# KiCad board PSEC5_Board.kicad_pcb (continued)
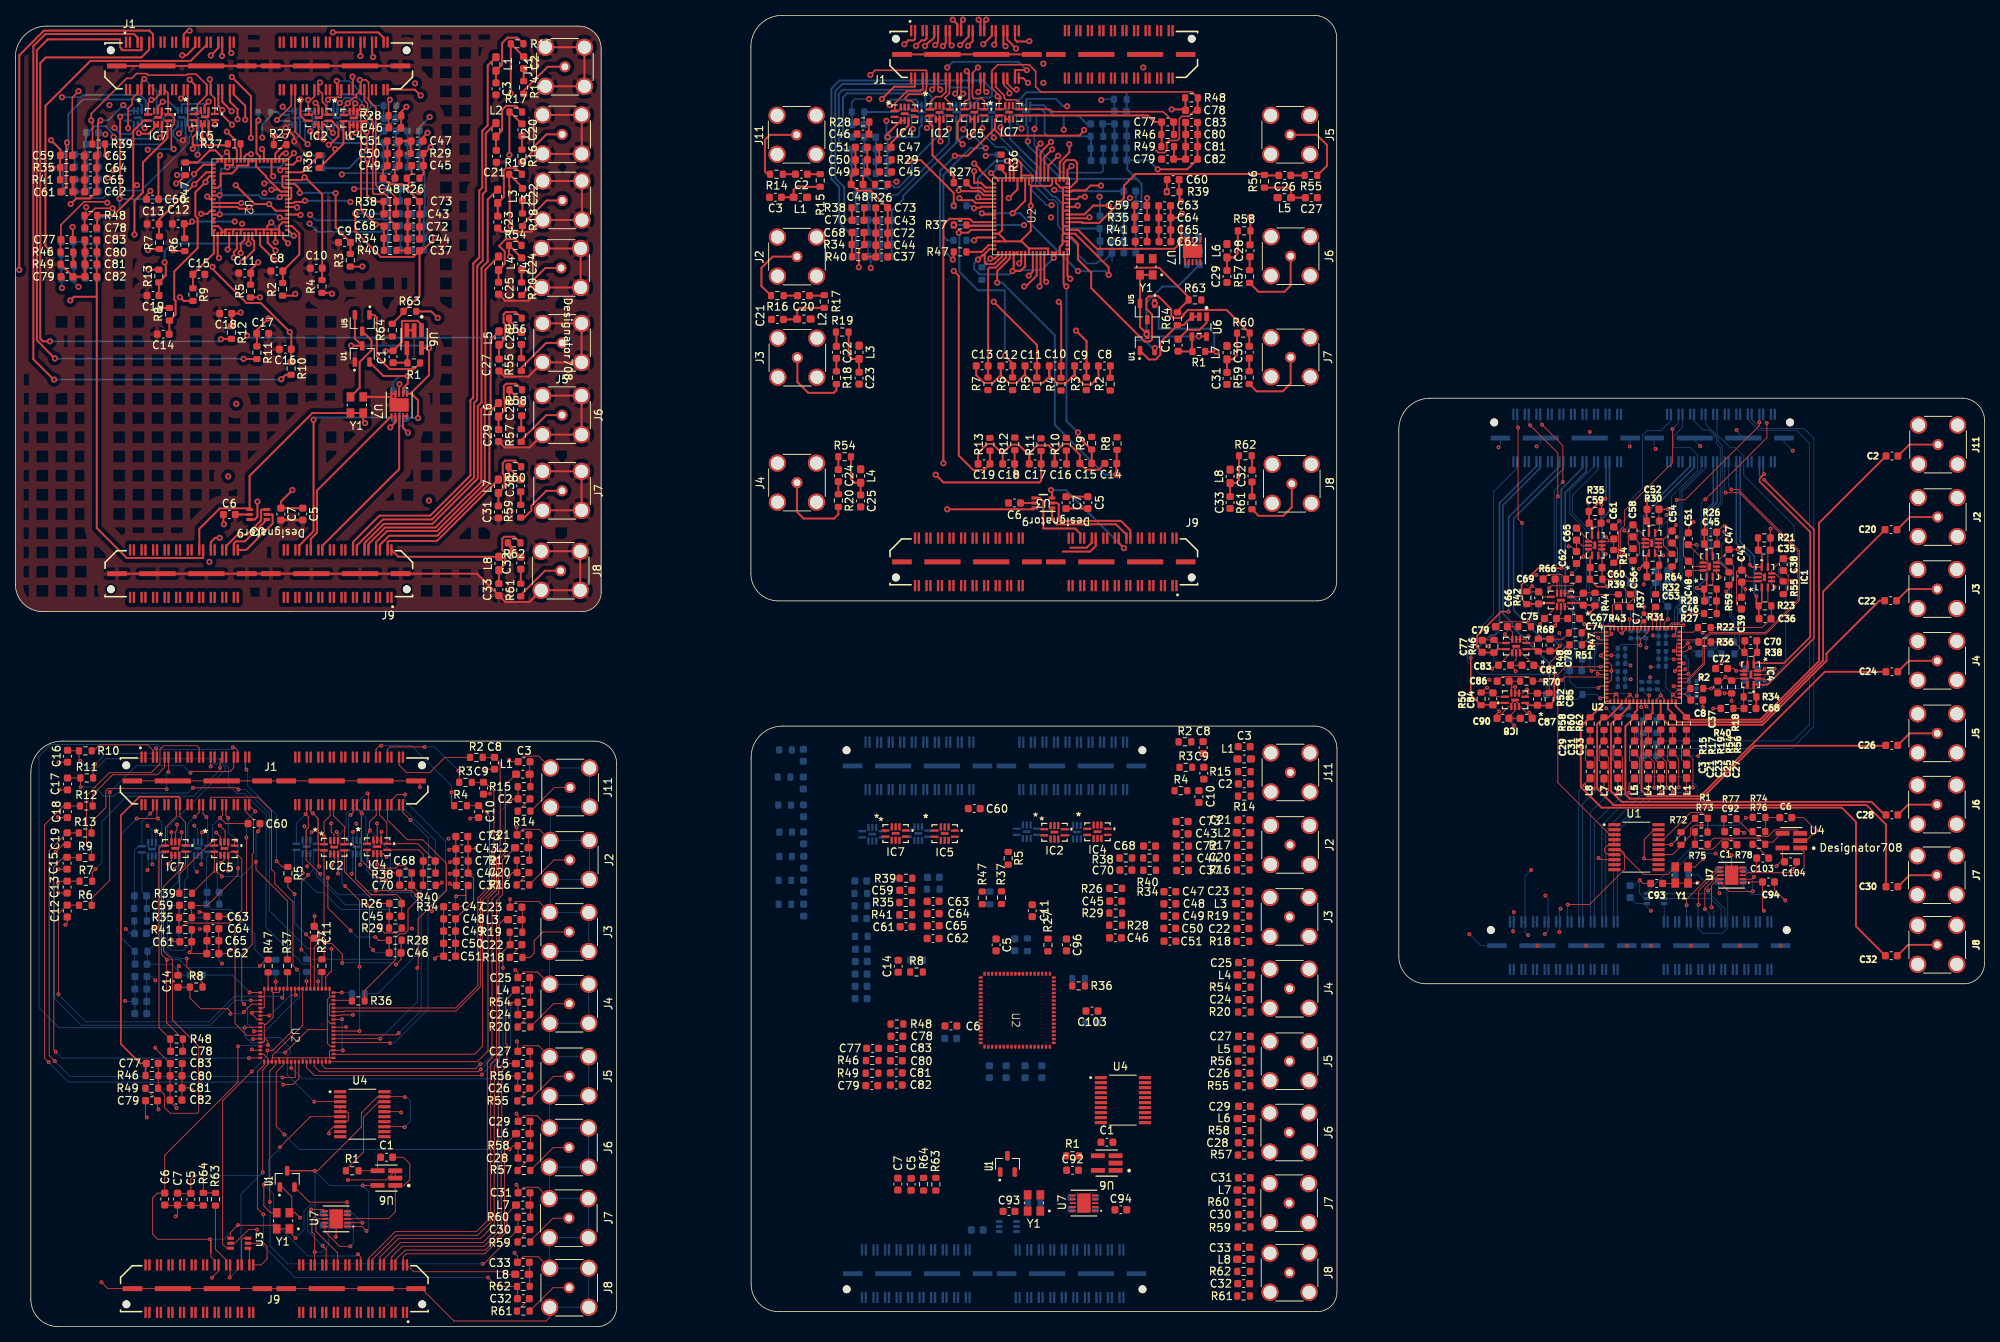
[diagram p0: board, top side]
## Placement (name value [footprint] x y rotation side) (continued)
R46#2  1000  [R_0603_1608Metric]  149.87 155.14 0 top
R46#3  1000  [R_0603_1608Metric]  111.45 34.63 180 top
R46#4  1000  [R_0603_1608Metric]  6.7 139.83 180 top
R46#5  1000  [R_0603_1608Metric]  17.76 32.67 180 top
R47  1000  [R_0603_1608Metric]  202.91 90.3 0 top
R47#2  1000  [R_0603_1608Metric]  22.11 150.67 90 top
R47#3  1000  [R_0603_1608Metric]  122.89 139.87 0 top
R47#4  1000  [R_0603_1608Metric]  32.88 46.92 270 top
R47#5  1000  [R_0603_1608Metric]  125.77 55.8 270 top
R48  1000  [R_0603_1608Metric]  114.67 39.38 0 top
R48#2  1000  [R_0603_1608Metric]  20.97 37.42 0 top
R48#3  1000  [R_0603_1608Metric]  198.1 88.7 90 top
R48#4  1000  [R_0603_1608Metric]  152.99 159.92 180 top
R48#5  1000  [R_0603_1608Metric]  9.81 144.61 0 top
R49  1000  [R_0603_1608Metric]  111.43 32.98 180 top
R49#2  1000  [R_0603_1608Metric]  6.71 138.26 180 top
R49#3  1000  [R_0603_1608Metric]  17.74 31.02 180 top
R49#4  1000  [R_0603_1608Metric]  149.89 153.57 0 top
R49#5  1000  [R_0603_1608Metric]  192.32 88.55 270 bottom
R50  1000  [R_0603_1608Metric]  190.65 81.7 270 top
R50#2  1000  [R_0603_1608Metric]  109.97 56.37 180 bottom
R50#3  1000  [R_0603_1608Metric]  16.27 54.42 180 bottom
R50#4  1000  [R_0603_1608Metric]  6.8 137.99 0 bottom
R50#5  1000  [R_0603_1608Metric]  140.69 153.34 0 bottom
R51  1000  [R_0603_1608Metric]  202.96 88.72 0 top
R51#2  1000  [R_0603_1608Metric]  117.24 47.7 0 bottom
R51#3  1000  [R_0603_1608Metric]  125.71 137.04 90 bottom
R51#4  1000  [R_0603_1608Metric]  23.54 45.75 0 bottom
R51#5  1000  [R_0603_1608Metric]  21.99 147.57 90 bottom
R52  1000  [R_0603_1608Metric]  199.5 81.65 90 top
R52#2  1000  [R_0603_1608Metric]  9.84 144.38 0 bottom
R52#3  1000  [R_0603_1608Metric]  110.04 50.8 0 bottom
R52#4  1000  [R_0603_1608Metric]  16.35 48.85 0 bottom
R52#5  1000  [R_0603_1608Metric]  143.73 159.72 0 bottom
R53  1000  [R_0603_1608Metric]  6.78 139.56 0 bottom
R53#2  1000  [R_0603_1608Metric]  16.28 52.8 180 bottom
R53#3  1000  [R_0603_1608Metric]  140.67 154.91 0 bottom
R53#4  1000  [R_0603_1608Metric]  109.98 54.75 180 bottom
R53#5  1000  [R_0603_1608Metric]  192.18 81.7 270 bottom
R54  50  [R_0603_1608Metric]  65.02 140.71 180 top
R54#2  50  [R_0603_1608Metric]  107.86 113.2 180 top
R54#3  50  [R_0603_1608Metric]  66.15 42.22 180 top
R54#4  50  [R_0603_1608Metric]  159.85 44.17 180 top
R54#5  50  [R_0603_1608Metric]  212.41 78.52 90 top
R55  50  [R_0603_1608Metric]  168.52 149.82 0 top
R55#2  50  [R_0603_1608Metric]  66.11 29.38 0 top
R55#3  50  [R_0603_1608Metric]  159.81 31.34 0 top
R55#4  50  [R_0603_1608Metric]  65.81 125.19 270 top
R55#5  2k  [R_0603_1608Metric]  229.96 96.15 270 top
R56  50  [R_0603_1608Metric]  66.14 32.62 180 top
R56#2  50  [R_0603_1608Metric]  210.64 78.5 90 top
R56#3  50  [R_0603_1608Metric]  159.84 34.55 180 top
R56#4  50  [R_0603_1608Metric]  162.47 149.06 90 top
R56#5  50  [R_0603_1608Metric]  65.05 131.24 180 top
R57  50  [R_0603_1608Metric]  65.8 115.97 270 top
R57#2  50  [R_0603_1608Metric]  159.84 22.33 0 top
R57#3  50  [R_0603_1608Metric]  66.15 20.32 0 top
R57#4  50  [R_0603_1608Metric]  160.54 136.66 270 top
R57#5  2k  [R_0603_1608Metric]  229.96 99.17 90 bottom
R58  50  [R_0603_1608Metric]  159.86 25.51 180 top
R58#2  50  [R_0603_1608Metric]  159.83 142.61 0 top
R58#3  50  [R_0603_1608Metric]  208.44 78.5 90 top
R58#4  50  [R_0603_1608Metric]  65.09 121.91 180 top
R58#5  50  [R_0603_1608Metric]  66.16 23.55 180 top
R59  50  [R_0603_1608Metric]  159.84 12.98 0 top
R59#2  50  [R_0603_1608Metric]  65.73 106.12 270 top
R59#3  2k  [R_0603_1608Metric]  222.89 97.34 270 top
R59#4  50  [R_0603_1608Metric]  66.14 11.02 0 top
R59#5  50  [R_0603_1608Metric]  160.49 123.5 270 top
R60  50  [R_0603_1608Metric]  159.73 129.3 0 top
R60#2  50  [R_0603_1608Metric]  66.15 14.24 180 top
R60#3  50  [R_0603_1608Metric]  64.97 111.91 180 top
R60#4  50  [R_0603_1608Metric]  159.85 16.2 180 top
R60#5  50  [R_0603_1608Metric]  206.64 78.47 90 top
R61  50  [R_0603_1608Metric]  65.74 95.86 270 top
R61#2  50  [R_0603_1608Metric]  160.85 107.2 270 top
R61#3  50  [R_0603_1608Metric]  159.77 3.99 0 top
R61#4  50  [R_0603_1608Metric]  66.07 2.03 0 top
R61#5  2k  [R_0603_1608Metric]  222.89 100.36 90 bottom
R62  50  [R_0603_1608Metric]  204.84 78.47 90 top
R62#2  50  [R_0603_1608Metric]  159.77 7.19 180 top
R62#3  50  [R_0603_1608Metric]  64.88 102 180 top
R62#4  50  [R_0603_1608Metric]  159.98 113.33 0 top
R62#5  50  [R_0603_1608Metric]  66.07 5.23 180 top
R63  2k  [R_0603_1608Metric]  51.31 132.12 180 top
R63#2  2k  [R_0603_1608Metric]  153.43 133.61 180 top
R63#3  2k  [R_0603_1608Metric]  26.03 16.57 90 top
R63#4  2k  [R_0603_1608Metric]  119.73 18.53 90 top
R63#5  2k  [R_0603_1608Metric]  215.49 102.76 90 bottom
R64  2k  [R_0603_1608Metric]  49.02 129.68 270 top
R64#2  2k  [R_0603_1608Metric]  24.44 16.58 270 top
R64#3  2k  [R_0603_1608Metric]  118.14 18.54 270 top
R64#4  2k  [R_0603_1608Metric]  215.49 99.74 270 top
R64#5  2k  [R_0603_1608Metric]  151.14 131.18 270 top
R65  10k  [R_0603_1608Metric]  132.52 16.13 0 bottom
R65#2  10k  [R_0603_1608Metric]  216.77 58.8 0 bottom
R66  2k  [R_0603_1608Metric]  202.52 97.27 180 top
R67  2k  [R_0603_1608Metric]  199.49 97.27 0 bottom
R68  2k  [R_0603_1608Metric]  196.32 91.1 0 top
R69  2k  [R_0603_1608Metric]  193.27 91.1 0 bottom
R70  2k  [R_0603_1608Metric]  196.55 84 0 top
R71  2k  [R_0603_1608Metric]  193.53 84 0 bottom
R72  140  [R_0603_1608Metric]  216.66 63.52 270 top
R73  R1/2  [R_0603_1608Metric]  219.29 64.37 0 top
R74  R1/2  [R_0603_1608Metric]  226.81 66.27 180 top
R75  R1/2  [R_0603_1608Metric]  219.29 62.77 180 top
R76  R1/2  [R_0603_1608Metric]  226.79 64.42 0 top
R77  R2  [R_0603_1608Metric]  223.06 66.1 0 top
R78  R2  [R_0603_1608Metric]  226.79 62.77 0 top
U1  MCP1700T-1802E_TT  [SOT95P237X112-3N]  129.05 21.18 90 top
U1#2  MC100LVEL40DWG  [SOP65P640X120-20N]  210.86 62.4 0 top
U1#3  MCP1700T-1802E_TT  [SOT95P237X112-3N]  147.23 128.08 90 top
U1#4  MCP1700T-1802E_TT  [SOT95P237X112-3N]  45.11 126.59 90 top
U1#5  MCP1700T-1802E_TT  [SOT95P237X112-3N]  35.35 19.22 90 top
U2  ~  [PSEC5_DIE]  137.1 149.49 180 top
U2#2  ~  [PSEC5_DIE]  135.32 36.18 90 top
U2#3  ~  [PSEC5_DIE]  41.62 34.22 90 top
U2#4  ~  [PSEC5_DIE]  35.56 141.97 90 top
U2#5  ~  [PSEC5_DIE]  216.71 81.12 90 top
U3  DAC8411IDCKT  [DCK0006A_N]  133.71 107.19 180 top
U3#2  DAC8411IDCKT  [DCK0006A_N]  29.12 10.85 180 top
U3#3  DAC8411IDCKT  [DCK0006A_N]  31.59 105.69 180 top
U3#4  DAC8411IDCKT  [DCK0006A_N]  129.09 13.03 180 bottom
U3#5  DAC8411IDCKT  [DCK0006A_N]  213.34 55.7 180 bottom
U4  OPA607QDBVRQ1  [DBV0005A-IPC_A]  231.01 63.25 180 top
U4#2  MC100LVEL40DWG  [SOP65P640X120-20N]  144.06 29.48 0 top
U4#3  MC100LVEL40DWG  [SOP65P640X120-20N]  45.13 27.65 0 top
U5  MC100LVEL  [SOT95P237X112-3N]  45.11 130.61 270 top
U5#2  MC100LVEL  [SOT95P237X112-3N]  147.23 132.11 270 top
U6  OPA607QDBVRQ1  [DBV0005A-IPC_A]  51.87 128.52 270 top
U6#2  OPA607QDBVRQ1  [DBV0005A-IPC_A]  141.96 21.29 180 top
U6#3  OPA607QDBVRQ1  [DBV0005A-IPC_A]  48.26 19.33 180 top
U6#4  OPA607QDBVRQ1  [DBV0005A-MFG]  153.99 130.14 270 top
U7  AD4008BCPZ-RL7  [CP_10_9_ADI]  138.99 16.08 180 top
U7#2  AD4008BCPZ-RL7  [CP_10_9_ADI]  153.13 139.98 270 top
U7#3  AD4008BCPZ-RL7  [CP_10_9_ADI]  41.72 14.02 180 top
U7#4  AD4008BCPZ-RL7  [CP_10_9_ADI]  49.92 119.94 270 top
U7#5  AD4008BCPZ-RL7  [CP_10_9_ADI]  223.24 58.75 180 top
Y1  ASE2-40.000MHZ-ET  [XTAL_ASE2-40.000MHZ-ET]  147.11 137.93 180 top
Y1#2  ASE2-40.000MHZ-ET  [XTAL_ASE2-40.000MHZ-ET]  44.41 119.95 180 top
Y1#3  ASE2-40.000MHZ-ET  [XTAL_ASE2-40.000MHZ-ET]  34.82 13.77 180 top
Y1#4  ASE2-40.000MHZ-ET  [XTAL_ASE2-40.000MHZ-ET]  216.74 58.77 180 top
Y1#5  ASE2-40.000MHZ-ET  [XTAL_ASE2-40.000MHZ-ET]  132.5 16.1 180 top

## Library data of the parts
C1 C1#2 C1#4 C1#5 C2#2-C2#5 C3 C3#2 C3#3 C3#5 C4 C4#3-C4#5 C5#2-C5#6 C6 C6#2 C6#3 C6#5 C7 C7#2 C7#4 C7#5 C8 C8#3-C8#5 C9 C9#2 C9#4 C9#5 C10#2-C10#5 C11#2-C11#5 C12#2-C12#5 C13#2-C13#5 C14 C14#2 C14#4 C14#5 C15 C15#3-C15#5 C16 C16#2 C16#4 C16#5 C17#2-C17#5 C18#2-C18#5 C19#2-C19#5 C20 C20#2-C20#4 C21 C21#3-C21#5 C22 C22#2-C22#4 C23 C23#2-C23#4 C24 C24#2 C24#3 C24#5 C25 C25#3-C25#5 C26 C26#3-C26#5 C27 C27#2-C27#4 C28 C28#3-C28#5 C29#2-C29#5 C30#2-C30#5 C31 C31#2 C31#4 C31#5 C32 C32#2 C32#4 C32#5 C33#2-C33#5 C34#2-C34#5 C35 C35#3-C35#5 C36 C36#2 C36#4 C36#5 C37 C37#2-C37#4 C38 C38#3-C38#5 C39 C39#2 C39#4 C39#5 C40 C40#2-C40#4 C41 C41#2-C41#4 C42 C42#2-C42#4 C43#2-C43#5 C44 C44#2 C44#4 C44#5 C45 C45#2 C45#4 C45#5 C46 C46#2 C46#4 C46#5 C47 C47#2 C47#3 C47#5 C48 C48#3-C48#5 C49 C49#2 C49#4 C49#5 C50 C50#2 C50#4 C50#5 C51#2-C51#5 C52 C52#2-C52#4 C53 C53#2 C53#4 C53#5 C54 C54#2 C54#4 C54#5 C55#2-C55#5 C56 C56#3-C56#5 C57 C57#3-C57#5 C58 C58#2 C58#4 C58#5 C59 C59#3-C59#5 C60 C60#2 C60#4 C60#5 C61 C61#2 C61#3 C61#5 C62 C62#3-C62#5 C63 C63#2 C63#4 C63#5 C64#2-C64#5 C65#2-C65#5 C66 C66#3-C66#5 C67 C67#2-C67#4 C68#2-C68#5 C69 C69#2-C69#4 C70 C70#2 C70#4 C70#5 C71#2-C71#5 C72#2-C72#5 C73 C73#3-C73#5 C74 C74#2-C74#4 C75 C75#2-C75#4 C76 C76#2-C76#4 C77 C77#2 C77#3 C77#5 C78 C78#2-C78#4 C79#2-C79#5 C80 C80#3-C80#5 C81#2-C81#5 C82#2-C82#5 C83 C83#3-C83#5 C84 C84#2-C84#4 C85 C85#3-C85#5 C86 C86#2 C86#4 C86#5 C87 C87#2 C87#3 C87#5 C88 C88#2 C88#4 C88#5 C89 C89#3-C89#5 C90 C90#2-C90#4 C91 C91#2 C92 C92#2 C93 C93#2 C94 C94#2 C95 C95#2 C96 C96#2 C97 C97#2 C98 C98#2 C99 C99#2 C100 C100#2 C101 C101#2 C102 C102#2 C103 C103#2 C104-C119 = -: Description: Unpolarized capacitor
C1#3 C2 C3#4 C4#2 C5 C6#4 C7#3 C8#2 C9#3 C10-C13 C14#3 C15#2 C16#3 C17-C19 C20#5 C21#2 C22#5 C23#5 C24#4 C25#2 C26#2 C27#5 C28#2 C29 C30 C31#3 C32#3 C33 C34 C35#2 C36#3 C37#5 C38#2 C39#3 C40#5 C41#5 C42#5 C43 C44#3 C45#3 C46#3 C47#4 C48#2 C49#3 C50#3 C51 C52#5 C53#3 C54#3 C55 C56#2 C57#2 C58#3 C59#2 C60#3 C61#4 C62#2 C63#3 C64 C65 C66#2 C67#5 C68 C69#5 C70#3 C71 C72 C73#2 C74#5 C75#5 C76#5 C77#4 C78#5 C79 C80#2 C81 C82 C83#2 C84#5 C85#2 C86#3 C87#4 C88#3 C89#2 C90#5 = -: Description: Unpolarized capacitor; ki_fp_filters: C_*
IC1 IC1#2-IC1#5 IC2 IC2#2-IC2#5 IC3 IC3#2-IC3#5 IC4 IC4#2-IC4#5 IC5 IC5#2-IC5#5 IC6 IC6#2-IC6#5 IC7 IC7#2-IC7#5 IC8 IC8#2-IC8#5 = -: Datasheet: https://www.analog.com/media/en/technical-documentation/data-sheets/6409fb.pdf; Description: High Speed Operational Amplifiers 10GHz GBW 1.1nV/rtHz Differential Amp; Height: 0.85; Mouser Part Number: 584-C6409IUDBTRMPBF; Mouser Price/Stock: https://www.mouser.co.uk/ProductDetail/Analog-Devices/LTC6409IUDBTRMPBF?qs=hVkxg5c3xu%252BCxcBUxz33zw%3D%3D; Manufacturer_Name: Analog Devices
J1 J1#2-J1#5 J9 J9#2-J9#5 = -: PARTREV: L; STANDARD: Manufacturer Recommendations; MAXIMUM_PACKAGE_HEIGHT: 4.347mm; MANUFACTURER: Samtec
J2 J3#2 J4#3 J5#3 J6 J7#5 J8#3 J11#2 = -: Description: coaxial connector (BNC, SMA, SMB, SMC, Cinch/RCA, LEMO, ...); ki_fp_filters: *BNC* *SMA* *SMB* *SMC* *Cinch* *LEMO* *UMRF* *MCX* *U.FL*
J2#2-J2#5 J3 J3#3-J3#5 J4 J4#2 J4#4 J4#5 J5 J5#2 J5#4 J5#5 J6#2-J6#5 J7 J7#2-J7#4 J8 J8#2 J8#4 J8#5 J11 J11#3-J11#5 = -: Description: coaxial connector (BNC, SMA, SMB, SMC, Cinch/RCA, LEMO, ...)
L1 L1#2 L1#4 L1#5 L2 L2#3-L2#5 L3 L3#2-L3#4 L4 L4#2 L4#3 L4#5 L5 L5#2-L5#4 L6 L6#3-L6#5 L7 L7#2 L7#3 L7#5 L8 L8#2 L8#4 L8#5 = -: Description: Inductor
L1#3 L2#2 L3#5 L4#4 L5#5 L6#2 L7#4 L8#3 = -: Description: Inductor; ki_fp_filters: Choke_* *Coil* Inductor_* L_*
R1 R1#2-R1#4 R2#2-R2#5 R3#2-R3#5 R4 R4#2 R4#4 R4#5 R5 R5#3-R5#5 R6 R6#2 R6#4 R6#5 R7 R7#2 R7#4 R7#5 R8 R8#2 R8#4 R8#5 R9#2-R9#5 R10 R10#2 R10#4 R10#5 R11#2-R11#5 R12 R12#3-R12#5 R13#2-R13#5 R14 R14#2-R14#4 R15 R15#2-R15#4 R16 R16#2 R16#3 R16#5 R17 R17#2 R17#3 R17#5 R18#2-R18#5 R19 R19#2 R19#3 R19#5 R20 R20#3-R20#5 R21 R21#2-R21#4 R22 R22#3-R22#5 R23 R23#3-R23#5 R24 R24#3-R24#5 R25 R25#3-R25#5 R26#2-R26#5 R27 R27#2 R27#3 R27#5 R28 R28#2 R28#4 R28#5 R29#2-R29#5 R30 R30#2-R30#4 R31 R31#2-R31#4 R32 R32#2-R32#4 R33 R33#2 R33#4 R33#5 R34 R34#2-R34#4 R35 R35#2 R35#3 R35#5 R36 R36#2 R36#4 R36#5 R37#2-R37#5 R38 R38#2 R38#4 R38#5 R39 R39#2-R39#4 R40 R40#2-R40#4 R41 R41#3-R41#5 R42 R42#2 R42#3 R42#5 R43 R43#3-R43#5 R44 R44#2 R44#4 R44#5 R45#2-R45#5 R46 R46#3-R46#5 R47 R47#2 R47#4 R47#5 R48 R48#2 R48#3 R48#5 R49 R49#2 R49#3 R49#5 R50 R50#2-R50#4 R51 R51#2 R51#4 R51#5 R52 R52#2-R52#4 R53 R53#2 R53#4 R53#5 R54 R54#3-R54#5 R55#2-R55#5 R56 R56#2 R56#3 R56#5 R57 R57#2 R57#3 R57#5 R58 R58#3-R58#5 R59 R59#2-R59#4 R60#2-R60#5 R61 R61#3-R61#5 R62 R62#2 R62#3 R62#5 R63 R63#3-R63#5 R64 R64#2-R64#4 R65 R65#2 R66-R78 = -: Description: Resistor, US symbol
R1#5 R2 R3 R4#3 R5#2 R6#3 R7#3 R8#3 R9 R10#3 R11 R12#2 R13 R14#5 R15#5 R16#4 R17#4 R18 R19#4 R20#2 R21#5 R22#2 R23#2 R24#2 R25#2 R26 R27#4 R28#3 R29 R30#5 R31#5 R32#5 R33#3 R34#5 R35#4 R36#3 R37 R38#3 R39#5 R40#5 R41#2 R42#4 R43#2 R44#3 R45 R46#2 R47#3 R48#4 R49#4 R50#5 R51#3 R52#5 R53#3 R54#2 R55 R56#4 R57#4 R58#2 R59#5 R60 R61#2 R62#4 R63#2 R64#5 = -: Description: Resistor, US symbol; ki_fp_filters: R_*
U3 = -: ki_fp_filters: DCK0006A_N DCK0006A_M DCK0006A_L
U6#4 = -: ki_fp_filters: DBV0005A-IPC_A DBV0005A-IPC_B DBV0005A-IPC_C DBV0005A-MFG
U7#2 = -: ki_fp_filters: CP_10_9_ADI CP_10_9_ADI-M CP_10_9_ADI-L
Y1 Y1#2-Y1#5 = -: PARTREV: 08.06.14; STANDARD: Manufacturer Recommendations; MAXIMUM_PACKAGE_HEIGHT: 1.2 mm; MANUFACTURER: Abracon

## Footprints (pads in the part's own frame, mm; a bottom-side part is the same pattern mirrored in y, then rotated)
C_0402_1005Metric
  rrect 0.56x0.62 smd: 1(-0.48,0) 2(0.48,0)
C_0603_1608Metric
  rrect 0.9x0.95 smd: 1(-0.775,0) 2(0.775,0)
CP_10_9_ADI
  rect 0.813x0.254 smd: 1(-1.448,1) 2(-1.448,0.5) 3(-1.448,0) 4(-1.448,-0.5) 5(-1.448,-1) 6(1.448,-1) 7(1.448,-0.5) 8(1.448,0) 9(1.448,0.5) 10(1.448,1)
  rect 1.753x2.489 smd: 11(0,0)
DBV0005A-IPC_A
  rect 1.805x0.612 smd: 1(-1.15,0.95) 2(-1.15,0) 3(-1.15,-0.95) 4(1.15,-0.95) 5(1.15,0.95)
DBV0005A-MFG
  rect 1.1x0.6 smd: 1(-1.3,0.95) 2(-1.3,0) 3(-1.3,-0.95) 4(1.3,-0.95) 5(1.3,0.95)
DCK0006A_N
  rect 0.85x0.4 smd: 1(-1.125,0.65) 2(-1.125,0) 3(-1.125,-0.65) 4(1.125,-0.65) 5(1.125,0) 6(1.125,0.65)
L_0603_1608Metric_Pad1.05x0.95mm_HandSolder
  rrect 1.05x0.95 smd: 1(-0.875,0) 2(0.875,0)
PSEC5_DIE
  rect 0.3x0.5 smd: 1(0.75,9.75) 2(1.25,9.75) 3(1.75,9.75) 4(2.25,9.75) 5(2.75,9.75) 6(3.25,9.75) 7(3.75,9.75) 8(4.25,9.75) 9(4.75,9.75) 10(5.25,9.75) 11(5.75,9.75) 12(6.25,9.75) 13(6.75,9.75) 14(7.25,9.75) 15(7.75,9.75) 16(8.25,9.75) 17(8.75,9.75) 18(9.25,9.75) 37(9.25,0.25) 38(8.75,0.25) 39(8.25,0.25) 40(7.75,0.25) 41(7.25,0.25) 42(6.75,0.25) 43(6.25,0.25) 44(5.75,0.25) 45(5.25,0.25) 46(4.75,0.25) 47(4.25,0.25) 48(3.75,0.25) 49(3.25,0.25) 50(2.75,0.25) 51(2.25,0.25) 52(1.75,0.25) 53(1.25,0.25) 54(0.75,0.25)
  rect 0.5x0.3 smd: 19(9.75,9.25) 20(9.75,8.75) 21(9.75,8.25) 22(9.75,7.75) 23(9.75,7.25) 24(9.75,6.75) 25(9.75,6.25) 26(9.75,5.75) 27(9.75,5.25) 28(9.75,4.75) 29(9.75,4.25) 30(9.75,3.75) 31(9.75,3.25) 32(9.75,2.75) 33(9.75,2.25) 34(9.75,1.75) 35(9.75,1.25) 36(9.75,0.75) 55(0.25,0.75) 56(0.25,1.25) 57(0.25,1.75) 58(0.25,2.25) 59(0.25,2.75) 60(0.25,3.25) 61(0.25,3.75) 62(0.25,4.25) 63(0.25,4.75) 64(0.25,5.25) 65(0.25,5.75) 66(0.25,6.25) 67(0.25,6.75) 68(0.25,7.25) 69(0.25,7.75) 70(0.25,8.25) 71(0.25,8.75) 72(0.25,9.25)
QFN-10_UDB_LIT
  rect 1.105x0.3 smd: 1(-1.267,0.4)
  rect 1.005x0.3 smd: 2(-1.317,-0.4) 6(1.317,-0.4) 7(1.317,0.4)
  rect 0.305x0.914 smd: 3(-0.5,-0.876) 4(0,-0.876) 5(0.5,-0.876) 8(0.5,0.876) 9(0,0.876) 10(-0.5,0.876)
  rect 1x0.35 smd: 11(0,0.025)
QFN-10_UDB_LIT#2
  rect 1.009x0.3 smd: 1(-1.315,0.4)
  rect 1.005x0.3 smd: 2(-1.317,-0.4) 6(1.317,-0.4) 7(1.317,0.4)
  rect 0.305x0.914 smd: 3(-0.5,-0.876) 4(0,-0.876) 5(0.5,-0.876) 8(0.5,0.876) 9(0,0.876) 10(-0.5,0.876)
  rect 1x0.35 smd: 11(0,0.025)
R_0603_1608Metric
  rrect 0.8x0.95 smd: 1(-0.825,0) 2(0.825,0)
SAMTEC_QTH-040-01-X-D-DP-A
  round 1.02 hole 1.02 unplated: (-19.24,2.03) (19.24,2.03)
  rect 0.3x1.45 smd: 01(-17.25,3.09) 02(-17.25,-3.09) 03(-16.75,3.09) 04(-16.75,-3.09) 05(-15.75,3.09) 06(-15.75,-3.09) 07(-15.25,3.09) 08(-15.25,-3.09) 09(-14.25,3.09) 10(-14.25,-3.09) 11(-13.75,3.09) 12(-13.75,-3.09) 13(-12.75,3.09) 14(-12.75,-3.09) 15(-12.25,3.09) 16(-12.25,-3.09) 17(-11.25,3.09) 18(-11.25,-3.09) 19(-10.75,3.09) 20(-10.75,-3.09) 21(-9.75,3.09) 22(-9.75,-3.09) 23(-9.25,3.09) 24(-9.25,-3.09) 25(-8.25,3.09) 26(-8.25,-3.09) 27(-7.75,3.09) 28(-7.75,-3.09) 29(-6.75,3.09) 30(-6.75,-3.09) 31(-6.25,3.09) 32(-6.25,-3.09) 33(-5.25,3.09) 34(-5.25,-3.09) 35(-4.75,3.09) 36(-4.75,-3.09) 37(-3.75,3.09) 38(-3.75,-3.09) 39(-3.25,3.09) 40(-3.25,-3.09) 41(2.75,3.09) 42(2.75,-3.09) 43(3.25,3.09) 44(3.25,-3.09) 45(4.25,3.09) 46(4.25,-3.09) 47(4.75,3.09) 48(4.75,-3.09) 49(5.75,3.09) 50(5.75,-3.09) 51(6.25,3.09) 52(6.25,-3.09) 53(7.25,3.09) 54(7.25,-3.09) 55(7.75,3.09) 56(7.75,-3.09) 57(8.75,3.09) 58(8.75,-3.09) 59(9.25,3.09) 60(9.25,-3.09) 61(10.25,3.09) 62(10.25,-3.09) 63(10.75,3.09) 64(10.75,-3.09) 65(11.75,3.09) 66(11.75,-3.09) 67(12.25,3.09) 68(12.25,-3.09) 69(13.25,3.09) 70(13.25,-3.09) 71(13.75,3.09) 72(13.75,-3.09) 73(14.75,3.09) 74(14.75,-3.09) 75(15.25,3.09) 76(15.25,-3.09) 77(16.25,3.09) 78(16.25,-3.09) 79(16.75,3.09) 80(16.75,-3.09)
  rect 2.54x0.64 smd: G1(-18.45,0) G4(-1.56,0) G5(1.56,0) G8(18.45,0)
  rect 4.7x0.64 smd: G2(-13.18,0) G3(-6.83,0) G6(6.83,0) G7(13.18,0)
SMA_Amphenol_132134-14_Vertical
  round 1.44 hole 0.89: 1(0,0)
  round 2.25 hole 1.7: 2(-2.54,2.54) 2(-2.54,-2.54) 2(2.54,2.54) 2(2.54,-2.54)
SOP65P640X120-20N
  rect 1.57x0.41 smd: 1(-2.87,2.925) 2(-2.87,2.275) 3(-2.87,1.625) 4(-2.87,0.975) 5(-2.87,0.325) 6(-2.87,-0.325) 7(-2.87,-0.975) 8(-2.87,-1.625) 9(-2.87,-2.275) 10(-2.87,-2.925) 11(2.87,-2.925) 12(2.87,-2.275) 13(2.87,-1.625) 14(2.87,-0.975) 15(2.87,-0.325) 16(2.87,0.325) 17(2.87,0.975) 18(2.87,1.625) 19(2.87,2.275) 20(2.87,2.925)
SOT95P237X112-3N
  rrect 1.23x0.59 smd: 1(-1.06,0.95) 2(-1.06,-0.95) 3(1.06,0)
XTAL_ASE2-40.000MHZ-ET
  rect 1x1.2 smd: 1(-0.825,1.05) 2(-0.825,-1.05) 3(0.825,-1.05) 4(0.825,1.05)

## Nets
+1V2: C5.1 C5#3.1 C7#3.1 C7#4.1 U2.2 U2.12 U2.27 U2.28 U2.29 U2.44 U2.52 U2.54 U2.56 U2.58 U2.60 U2.62 U2.66 U2.68 U2.70 U2.71 U2#4.2 U2#4.12 U2#4.27 U2#4.28 U2#4.29 U2#4.44 U2#4.52 U2#4.54 U2#4.56 U2#4.58 U2#4.60 U2#4.62 U2#4.66 U2#4.68 U2#4.70 U2#4.71
+2V5: C6#4.1 C6#5.1 U2.5 U2.10 U2.21 U2.23 U2.36 U2.38 U2.45 U2.51 U2#4.5 U2#4.10 U2#4.21 U2#4.23 U2#4.36 U2#4.38 U2#4.45 U2#4.51
/ADC_Buffer2/VDD33: C55.2 C56#2.2 C57#2.2 C58#3.2 C62#2.2 C63#3.2 C64.2 C65.2 IC3#4.3 IC3#4.4 IC3#4.9 IC5#4.3 IC5#4.4 IC5#4.9
/ADC_Buffer3/VDD33: C71.2 C74#5.2 C75#5.2 C76#5.2 C80#2.2 C81.2 C82.2 C83#2.2 C87#4.2 C88#3.2 C89#2.2 C90#5.2 IC6#2.3 IC6#2.4 IC6#2.9 IC7#4.3 IC7#4.4 IC7#4.9 IC8#4.3 IC8#4.4 IC8#4.9
/ADC_Buffer/VDD33: C39#3.2 C40#5.2 C41#5.2 C42#5.2 C43.2 C44#3.2 C48#2.2 C49#3.2 C50#3.2 C51.2 C72.2 C73#2.2 IC1#5.3 IC1#5.4 IC1#5.9 IC2#5.3 IC2#5.4 IC2#5.9 IC4.3 IC4.4 IC4.9
GND: C1#5.1 C3.2 C3#2.2 C3#3.2 C3#4.2 C3#5.2 C4.1 C4#2.1 C4#3.1 C4#4.1 C4#5.1 C5.2 C5#2.1 C5#3.2 C5#4.2 C5#5.2 C5#6.1 C6.2 C6#2.2 C6#3.2 C6#4.2 C6#5.2 C7.2 C7#2.2 C7#3.2 C7#4.2 C7#5.2 C8.2 C8#2.2 C8#3.2 C8#4.2 C8#5.2 C9.2 C9#2.2 C9#3.2 C9#4.2 C9#5.2 C10.2 C10#2.2 C10#3.2 C10#4.2 C10#5.2 C11.2 C11#2.2 C11#3.2 C11#4.2 C11#5.2 C12.2 C12#2.2 C12#3.2 C12#4.2 C12#5.2 C13.2 C13#2.2 C13#3.2 C13#4.2 C13#5.2 C14.2 C14#2.2 C14#3.2 C14#4.2 C14#5.2 C15.2 C15#2.2 C15#3.2 C15#4.2 C15#5.2 C16.2 C16#2.2 C16#3.2 C16#4.2 C16#5.2 C17.2 C17#2.2 C17#3.2 C17#4.2 C17#5.2 C18.2 C18#2.2 C18#3.2 C18#4.2 C18#5.2 C19.2 C19#2.2 C19#3.2 C19#4.2 C19#5.2 C21.2 C21#2.2 C21#3.2 C21#4.2 C21#5.2 C23.2 C23#2.2 C23#3.2 C23#4.2 C23#5.2 C25.2 C25#2.2 C25#3.2 C25#4.2 C25#5.2 C27.2 C27#2.2 C27#3.2 C27#4.2 C27#5.2 C29.2 C29#2.2 C29#3.2 C29#4.2 C29#5.2 C31.2 C31#2.2 C31#3.2 C31#4.2 C31#5.2 C33.2 C33#2.2 C33#3.2 C33#4.2 C33#5.2 C34.2 C34#2.2 C34#3.2 C34#4.2 C34#5.2 C37.2 C37#2.2 C37#3.2 C37#4.2 C37#5.2 C38.2 C38#2.2 C38#3.2 C38#4.2 C38#5.2 C39.1 C39#2.1 C39#3.1 C39#4.1 C39#5.1 C40.1 C40#2.1 C40#3.1 C40#4.1 C40#5.1 C41.1 C41#2.1 C41#3.1 C41#4.1 C41#5.1 C42.1 C42#2.1 C42#3.1 C42#4.1 C42#5.1 C43.1 C43#2.1 C43#3.1 C43#4.1 C43#5.1 C44.1 C44#2.1 C44#3.1 C44#4.1 C44#5.1 C47.2 C47#2.2 C47#3.2 C47#4.2 C47#5.2 C48.1 C48#2.1 C48#3.1 C48#4.1 C48#5.1 C49.1 C49#2.1 C49#3.1 C49#4.1 C49#5.1 C50.1 C50#2.1 C50#3.1 C50#4.1 C50#5.1 C51.1 C51#2.1 C51#3.1 C51#4.1 C51#5.1 C54.2 C54#2.2 C54#3.2 C54#4.2 C54#5.2 C55.1 C55#2.1 C55#3.1 C55#4.1 C55#5.1 C56.1 C56#2.1 C56#3.1 C56#4.1 C56#5.1 C57.1 C57#2.1 C57#3.1 C57#4.1 C57#5.1 C58.1 C58#2.1 C58#3.1 C58#4.1 C58#5.1 C61.2 C61#2.2 C61#3.2 C61#4.2 C61#5.2 C62.1 C62#2.1 C62#3.1 C62#4.1 C62#5.1 C63.1 C63#2.1 C63#3.1 C63#4.1 C63#5.1 C64.1 C64#2.1 C64#3.1 C64#4.1 C64#5.1 C65.1 C65#2.1 C65#3.1 C65#4.1 C65#5.1 C69.2 C69#2.2 C69#3.2 C69#4.2 C69#5.2 C71.1 C71#2.1 C71#3.1 C71#4.1 C71#5.1 C72.1 C72#2.1 C72#3.1 C72#4.1 C72#5.1 C73.1 C73#2.1 C73#3.1 C73#4.1 C73#5.1 C74.1 C74#2.1 C74#3.1 C74#4.1 C74#5.1 C75.1 C75#2.1 C75#3.1 C75#4.1 C75#5.1 C76.1 C76#2.1 C76#3.1 C76#4.1 C76#5.1 C79.2 C79#2.2 C79#3.2 C79#4.2 C79#5.2 C80.1 C80#2.1 C80#3.1 C80#4.1 C80#5.1 C81.1 C81#2.1 C81#3.1 C81#4.1 C81#5.1 C82.1 C82#2.1 C82#3.1 C82#4.1 C82#5.1 C83.1 C83#2.1 C83#3.1 C83#4.1 C83#5.1 C86.2 C86#2.2 C86#3.2 C86#4.2 C86#5.2 C87.1 C87#2.1 C87#3.1 C87#4.1 C87#5.1 C88.1 C88#2.1 C88#3.1 C88#4.1 C88#5.1 C89.1 C89#2.1 C89#3.1 C89#4.1 C89#5.1 C90.1 C90#2.1 C90#3.1 C90#4.1 C90#5.1 C91.1 C91#2.1 C92.1 C92#2.1 C93.1 C93#2.1 C94.2 C94#2.2 C95.1 C95#2.1 C96.1 C96#2.1 C97.1 C97#2.1 C98.1 C98#2.1 C99.1 C99#2.1 C100.1 C100#2.1 C101.1 C101#2.1 C102.1 C102#2.1 C103.1 C104.1 C105.1 C106.1 C107.1 C108.1 C109.1 C110.1 C111.1 C112.1 C113.1 C114.1 C115.1 C116.1 C117.1 C118.1 C119.1 IC1.8 IC1.10 IC1.11 IC1#2.8 IC1#2.10 IC1#2.11 IC1#3.8 IC1#3.10 IC1#3.11 IC1#4.8 IC1#4.10 IC1#4.11 IC1#5.8 IC1#5.10 IC1#5.11 IC2.8 IC2.10 IC2.11 IC2#2.8 IC2#2.10 IC2#2.11 IC2#3.8 IC2#3.10 IC2#3.11 IC2#4.8 IC2#4.10 IC2#4.11 IC2#5.8 IC2#5.10 IC2#5.11 IC3.8 IC3.10 IC3.11 IC3#2.8 IC3#2.10 IC3#2.11 IC3#3.8 IC3#3.10 IC3#3.11 IC3#4.8 IC3#4.10 IC3#4.11 IC3#5.8 IC3#5.10 IC3#5.11 IC4.8 IC4.10 IC4.11 IC4#2.8 IC4#2.10 IC4#2.11 IC4#3.8 IC4#3.10 IC4#3.11 IC4#4.8 IC4#4.10 IC4#4.11 IC4#5.8 IC4#5.10 IC4#5.11 IC5.8 IC5.10 IC5.11 IC5#2.8 IC5#2.10 IC5#2.11 IC5#3.8 IC5#3.10 IC5#3.11 IC5#4.8 IC5#4.10 IC5#4.11 IC5#5.8 IC5#5.10 IC5#5.11 IC6.8 IC6.10 IC6.11 IC6#2.8 IC6#2.10 IC6#2.11 IC6#3.8 IC6#3.10 IC6#3.11 IC6#4.8 IC6#4.10 IC6#4.11 IC6#5.8 IC6#5.10 IC6#5.11 IC7.8 IC7.10 IC7.11 IC7#2.8 IC7#2.10 IC7#2.11 IC7#3.8 IC7#3.10 IC7#3.11 IC7#4.8 IC7#4.10 IC7#4.11 IC7#5.8 IC7#5.10 IC7#5.11 IC8.8 IC8.10 IC8.11 IC8#2.8 IC8#2.10 IC8#2.11 IC8#3.8 IC8#3.10 IC8#3.11 IC8#4.8 IC8#4.10 IC8#4.11 IC8#5.8 IC8#5.10 IC8#5.11 J1.G1 J1.G2 J1.G3 J1.G4 J1#2.G1 J1#2.G2 J1#2.G3 J1#2.G4 J1#2.G5 J1#2.G6 J1#2.G7 J1#2.G8 J1#3.G1 J1#3.G2 J1#3.G3 J1#3.G4 J1#3.G5 J1#3.G6 J1#3.G7 J1#3.G8 J1#4.G1 J1#4.G2 J1#4.G3 J1#4.G4 J1#4.G5 J1#4.G6 J1#4.G7 J1#4.G8 J1#5.G1 J1#5.G2 J1#5.G3 J1#5.G4 J1#5.G5 J1#5.G6 J1#5.G7 J1#5.G8 J2.2 J2#2.2 J2#3.2 J2#4.2 J2#5.2 J3.2 J3#2.2 J3#3.2 J3#4.2 J3#5.2 J4.2 J4#2.2 J4#3.2 J4#4.2 J4#5.2 J5.2 J5#2.2 J5#3.2 J5#4.2 J5#5.2 J6.2 J6#2.2 J6#3.2 J6#4.2 J6#5.2 J7.2 J7#2.2 J7#3.2 J7#4.2 J7#5.2 J8.2 J8#2.2 J8#3.2 J8#4.2 J8#5.2 J9.G1 J9.G2 J9.G3 J9.G4 J9.G5 J9.G6 J9.G7 J9.G8 J9#2.G1 J9#2.G2 J9#2.G3 J9#2.G4 J9#2.G5 J9#2.G6 J9#2.G7 J9#2.G8 J9#3.G1 J9#3.G2 J9#3.G3 J9#3.G4 J9#4.G1 J9#4.G2 J9#4.G3 J9#4.G4 J9#4.G5 J9#4.G6 J9#4.G7 J9#4.G8 J9#5.G1 J9#5.G2 J9#5.G3 J9#5.G4 J9#5.G5 J9#5.G6 J9#5.G7 J9#5.G8 J11.2 J11#2.2 J11#3.2 J11#4.2 J11#5.2 R1#2.1 R14#3.2 R18#2.2 R24.2 R24#2.2 R24#3.2 R24#4.2 R24#5.2 R29.2 R29#2.2 R29#3.2 R29#4.2 R29#5.2 R33.2 R33#2.2 R33#3.2 R33#4.2 R33#5.2 R40.2 R40#2.2 R40#3.2 R40#4.2 R40#5.2 R41.2 R41#2.2 R41#3.2 R41#4.2 R41#5.2 R45.2 R45#2.2 R45#3.2 R45#4.2 R45#5.2 R49.2 R49#2.2 R49#3.2 R49#4.2 R49#5.2 R53.2 R53#2.2 R53#3.2 R53#4.2 R53#5.2 R55#5.2 R59#3.2 R64.2 R64#2.2 R64#3.2 R64#4.2 R64#5.2 R66.2 R68.2 R70.2 R72.1 U1.1 U1#2.16 U1#3.1 U1#4.1 U1#5.1 U2.3 U2.4 U2.11 U2.13 U2.14 U2.17 U2.19 U2.32 U2.40 U2.43 U2.46 U2#2.3 U2#2.4 U2#2.11 U2#2.13 U2#2.14 U2#2.17 U2#2.19 U2#2.32 U2#2.40 U2#2.43 U2#2.46 U2#3.3 U2#3.4 U2#3.11 U2#3.13 U2#3.14 U2#3.17 U2#3.19 U2#3.32 U2#3.40 U2#3.43 U2#3.46 U2#4.3 U2#4.4 U2#4.11 U2#4.13 U2#4.14 U2#4.17 U2#4.19 U2#4.32 U2#4.40 U2#4.43 U2#4.46 U2#5.3 U2#5.4 U2#5.11 U2#5.13 U2#5.14 U2#5.17 U2#5.19 U2#5.32 U2#5.40 U2#5.43 U2#5.46 U3.5 U3#2.5 U3#3.5 U3#4.5 U3#5.5 U4.2 U4#2.16 U4#3.16 U6.2 U6.3 U6#2.2 U6#2.3 U6#3.2 U6#3.3 U6#4.2 U6#4.3 U7.4 U7.5 U7.11 U7#2.4 U7#2.5 U7#2.6 U7#2.11 U7#3.4 U7#3.5 U7#3.11 U7#4.4 U7#4.5 U7#4.11 U7#5.4 U7#5.5 U7#5.11 Y1.2 Y1#2.2 Y1#3.2 Y1#4.2 Y1#5.2
VDD: C5#4.1 C5#5.1 C7.1 C7#2.1 C7#5.1 C95.2 C95#2.2 C97.2 C97#2.2 C98.2 C98#2.2 C99.2 C99#2.2 C100.2 C100#2.2 C101.2 C101#2.2 C102#2.2 C105.2 C106.2 C107.2 C108.2 C109.2 C110.2 J9.50 J9#2.50 J9#3.30 J9#4.50 J9#4.52 J9#5.77 J9#5.79 U2#2.2 U2#2.12 U2#2.27 U2#2.28 U2#2.29 U2#2.44 U2#2.52 U2#2.54 U2#2.56 U2#2.58 U2#2.60 U2#2.62 U2#2.66 U2#2.68 U2#2.70 U2#2.71 U2#3.2 U2#3.12 U2#3.27 U2#3.28 U2#3.29 U2#3.44 U2#3.52 U2#3.54 U2#3.56 U2#3.58 U2#3.60 U2#3.62 U2#3.66 U2#3.68 U2#3.70 U2#3.71 U2#5.2 U2#5.12 U2#5.27 U2#5.28 U2#5.29 U2#5.44 U2#5.52 U2#5.54 U2#5.56 U2#5.58 U2#5.60 U2#5.62 U2#5.66 U2#5.68 U2#5.70 U2#5.71
VDD18: C4#3.2 C4#5.2 C34#2.1 C34#3.1 J9.52 J9#2.52 J9#3.32 J9#4.62 J9#4.64 J9#5.65 J9#5.67 R16#5.1 R20#5.1 R57#5.1 R61#5.1 R63.1 R63#2.1 R63#3.1 R63#4.1 R63#5.1 R65.1 R65#2.1 R67.1 R69.1 R71.1 U7.2 U7.10 U7#5.2 U7#5.10
VDD25: C5#2.2 C5#6.2 C6#2.1 C6#3.1 C91.2 C91#2.2 C92#2.2 C93.2 C93#2.2 C94.1 C94#2.1 C96.2 C96#2.2 C102.2 C103.2 C104.2 C111.2 C112.2 C113.2 C114.2 C115.2 C116.2 C117.2 C118.2 C119.2 J9.56 J9#2.56 J9#3.36 J9#4.66 J9#4.68 J9#5.61 J9#5.63 R25.1 R25#2.1 R25#3.1 R25#4.1 R25#5.1 U1.3 U1#2.13 U1#2.19 U1#3.3 U1#4.3 U1#5.3 U2#2.5 U2#2.10 U2#2.21 U2#2.23 U2#2.36 U2#2.38 U2#2.45 U2#2.51 U2#3.5 U2#3.10 U2#3.21 U2#3.23 U2#3.36 U2#3.38 U2#3.45 U2#3.51 U2#5.5 U2#5.10 U2#5.21 U2#5.23 U2#5.36 U2#5.38 U2#5.45 U2#5.51 U3.4 U3#2.4 U3#3.4 U3#4.4 U3#5.4 U4.5 U4#2.13 U4#2.19 U4#3.13 U4#3.19 U5.2 U5#2.2 U6.5 U6#2.5 U6#3.5 U6#4.5 U7.1 U7#2.1 U7#3.1 U7#4.1 U7#5.1 Y1.1 Y1.4 Y1#2.1 Y1#2.4 Y1#3.1 Y1#3.4 Y1#4.1 Y1#4.4 Y1#5.1 Y1#5.4